# Altium PCB CONTROLLER_BASE.PcbDoc (part 5 of 7)
Units mm, origin at the board's own origin, x right, y up, seen from the top; angles counter-clockwise.
Board outline 258 x 160 mm, 4 copper layers (Top Layer, Internal Plane 1, Internal Plane 2, Bottom Layer); 818 components, 410 nets, 2314 pads, 511 vias.
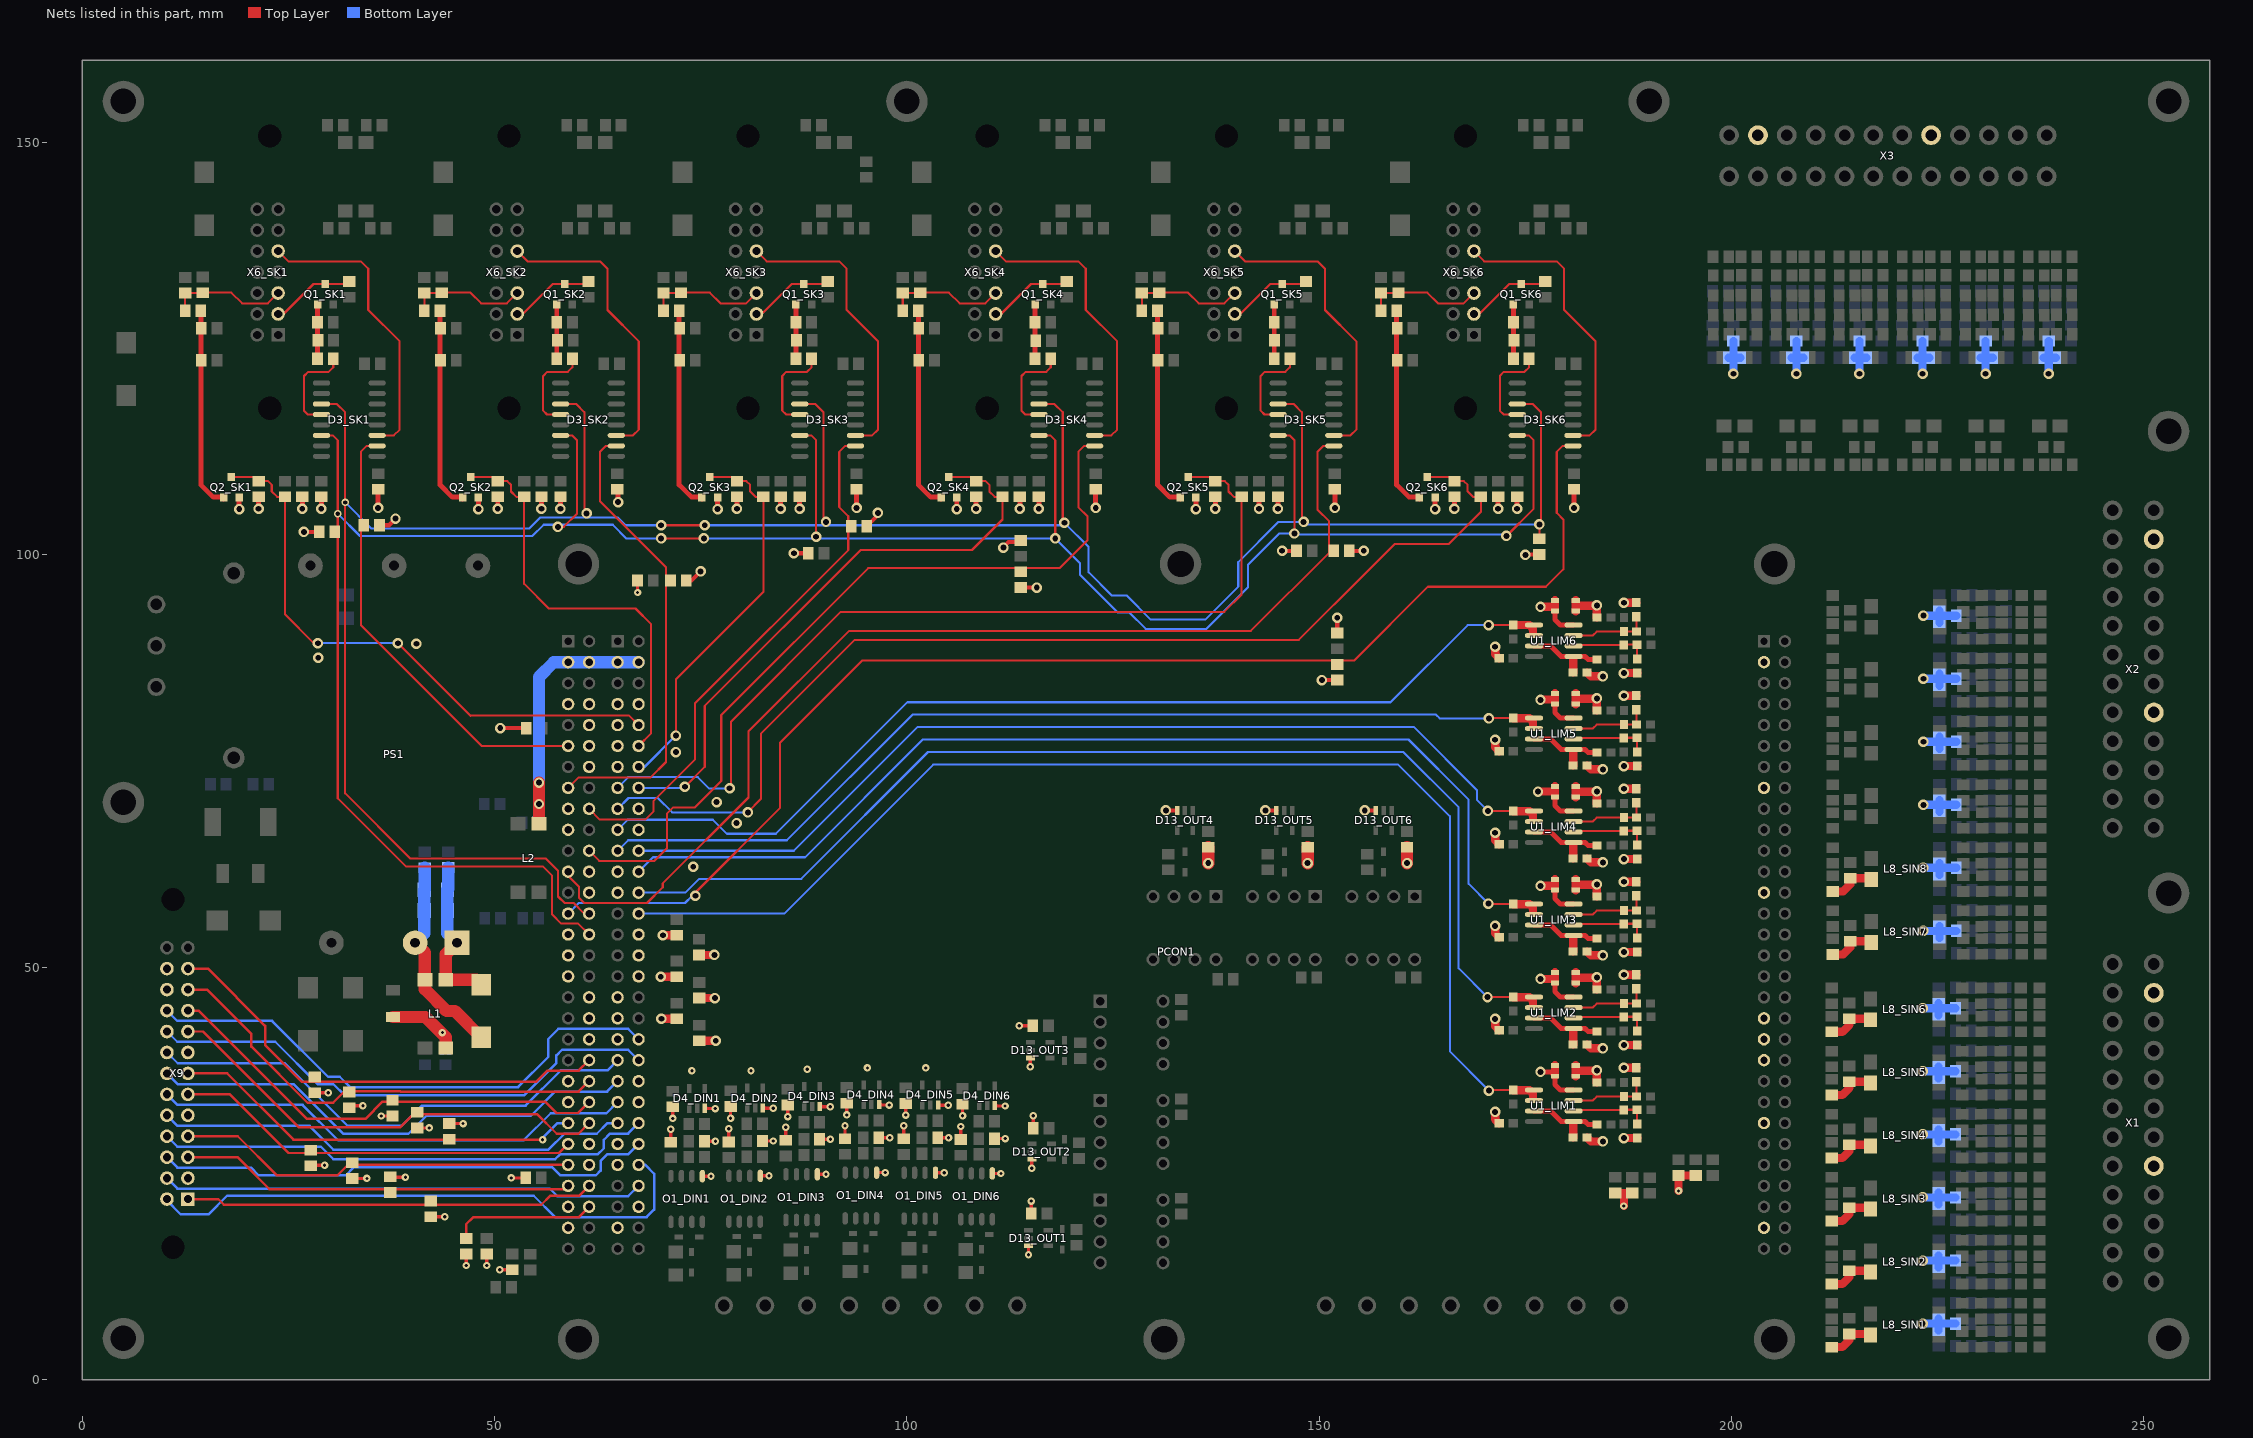
[diagram p7: the nets of this part, all layers, seen from the top]

## Via types
v1: diameter 1.27, hole 0.711, Top Layer to Bottom Layer, tented both sides, 414 vias
v2: diameter 0.9, hole 0.4, Top Layer to Bottom Layer, tented both sides, 95 vias
v3: diameter 0.9, hole 0.5, Top Layer to Bottom Layer, tented both sides, 2 vias

## Nets (pads, with @x,y where several pads share a name; then routed paths per layer and width w, separated by ;. In a path a pad name is that pad's centre, name@x,y a point inside that pad or via, vN(x,y) a via of type N, cw(c..) or ccw(c..) an arc to the next point about the centre after c; other vN are vias at no path point) (continued)
AGNDIN_SIN1: C32_SIN1.1 C32_SIN2.1 C32_SIN3.1 C32_SIN4.1 C32_SIN5.1 C32_SIN6.1 C32_SIN7.1 C32_SIN8.1 C32_SIN9.1 C32_SIN10.1 C32_SIN11.1 C32_SIN12.1 C32_SIN13.1 C32_SIN14.1 C32_SIN15.1 C32_SIN16.1 C32_SIN17.1 C32_SIN18.1 C34_SIN1.2 C34_SIN2.2 C34_SIN3.2 C34_SIN4.2 C34_SIN5.2 C34_SIN6.2 C34_SIN7.2 C34_SIN8.2 C34_SIN9.2 C34_SIN10.2 C34_SIN11.2 C34_SIN12.2 C34_SIN13.2 C34_SIN14.2 C34_SIN15.2 C34_SIN16.2 C34_SIN17.2 C34_SIN18.2 C41_LIM1.2 C41_LIM2.2 C41_LIM3.2 C41_LIM4.2 C41_LIM5.2 C41_LIM6.2 C43_LIM1.2 C43_LIM2.2 C43_LIM3.2 C43_LIM4.2 C43_LIM5.2 C43_LIM6.2 C44_LIM1.2 C44_LIM2.2 C44_LIM3.2 C44_LIM4.2 C44_LIM5.2 C44_LIM6.2 C50.2 C51.2 L5_SIN1.2 L5_SIN2.2 L5_SIN3.2 L5_SIN4.2 L5_SIN5.2 L5_SIN6.2 L5_SIN7.2 L5_SIN8.2 L5_SIN9.2 L5_SIN10.2 L5_SIN11.2 L5_SIN12.2 L5_SIN13.2 L5_SIN14.2 L5_SIN15.2 L5_SIN16.2 L5_SIN17.2 L5_SIN18.2 PCON1.P3_3 PCON1.P3_15 PCON1.P3_25 PCON1.P3_37 PCON1.P3_39 PCON1.P3_41 PCON1.P3_47 PCON1.P3_57 R55_LIM1.2 R55_LIM2.2 R55_LIM3.2 R55_LIM4.2 R55_LIM5.2 R55_LIM6.2 R63.2 R64.2 VD1_LIM1.1 VD1_LIM2.1 VD1_LIM3.1 VD1_LIM4.1 VD1_LIM5.1 VD1_LIM6.1 VD2_LIM1.2 VD2_LIM2.2 VD2_LIM3.2 VD2_LIM4.2 VD2_LIM5.2 VD2_LIM6.2 X1.10 X1.22 X2.10 X2.22 X3.10 X3.22 | length 171.7
  Top Layer w1: VD2_LIM1.2@181.094,36.793 181.094,37.453 ; VD1_LIM1.1@181.094,38.114 181.094,37.453 ; VD2_LIM2.2@181.094,48.07 181.094,48.731 ; VD1_LIM2.1@181.094,49.391 181.094,48.731 ; VD2_LIM3.2@181.094,59.348 181.094,60.008 ; VD1_LIM3.1@181.094,60.669 181.094,60.008 ; VD2_LIM4.2@181.094,70.626 181.094,71.286 ; VD1_LIM4.1@181.094,71.946 181.094,71.286 ; VD2_LIM5.2@181.094,81.903 181.094,82.564 ; VD1_LIM5.1@181.094,83.224 181.094,82.564 ; VD2_LIM6.2@181.094,93.181 181.094,93.841 ; VD1_LIM6.1@181.094,94.502 181.094,93.841 ; C41_LIM1.2@182.497,29.351 182.954,28.893 v1(184.39,28.893) ; C41_LIM2.2@182.497,40.628 182.954,40.171 v1(184.39,40.171) ; C41_LIM3.2@182.497,51.906 182.954,51.449 v1(184.39,51.449) ; C41_LIM4.2@182.497,63.183 182.954,62.726 v1(184.39,62.726) ; C41_LIM5.2@182.497,74.461 182.954,74.004 v1(184.39,74.004) ; C41_LIM6.2@182.497,85.739 182.954,85.281 v1(184.39,85.281) ; v1@183.63,37.453 181.094,37.453 ; v1@183.63,48.731 181.094,48.731 ; v1@183.63,60.008 181.094,60.008 ; v1@183.63,71.286 181.094,71.286 ; v1@183.63,82.564 181.094,82.564 ; v1@183.63,93.841 181.094,93.841 ; R55_LIM1.2@183.667,36.031 v1(183.667,37.49) ; R55_LIM2.2@183.667,47.308 v1(183.667,48.768) ; R55_LIM3.2@183.667,58.586 v1(183.667,60.046) ; R55_LIM4.2@183.667,69.864 v1(183.667,71.323) ; R55_LIM5.2@183.667,81.141 v1(183.667,82.601) ; R55_LIM6.2@183.667,92.419 v1(183.667,93.878) ; R63.2@185.928,22.621 186.944,22.621 ; v2(186.944,21.057) 186.944,22.621 ; v1(186.944,29.288) C43_LIM1.2@188.556,29.288 ; v1(186.944,37.821) C44_LIM1.2@188.454,37.821 ; v1(186.944,40.566) C43_LIM2.2@188.556,40.566 ; v1(186.944,49.098) C44_LIM2.2@188.454,49.098 ; v1(186.944,51.843) C43_LIM3.2@188.556,51.843 ; v1(186.944,60.376) C44_LIM3.2@188.454,60.376 ; v1(186.944,63.121) C43_LIM4.2@188.556,63.121 ; v1(186.944,71.653) C44_LIM4.2@188.454,71.653 ; v1(186.944,74.398) C43_LIM5.2@188.556,74.398 ; v1(186.944,82.931) C44_LIM5.2@188.454,82.931 ; v1(186.944,85.676) C43_LIM6.2@188.556,85.676 ; v1(186.944,94.209) C44_LIM6.2@188.454,94.209 ; C50.2@187.96,22.621 186.944,22.621 ; v2(193.573,22.885) R64.2@193.573,24.755 195.676,24.755 C51.2@195.677,24.756 ; v1@200.196,121.949 v1(200.221,121.975) ; v1@207.841,121.949 v1(207.867,121.975) ; v1@215.487,121.949 v1(215.512,121.975) ; v1@223.132,121.949 v1(223.158,121.975) ; v1@223.148,6.827 v1(223.174,6.802) ; v1@223.148,14.472 v1(223.174,14.447) ; v1@223.148,22.118 v1(223.174,22.092) ; v1@223.148,29.763 v1(223.174,29.738) ; v1@223.148,37.409 v1(223.174,37.383) ; v1@223.148,45.054 v1(223.174,45.029) ; v1@223.247,54.436 v1(223.272,54.411) ; v1@223.247,62.082 v1(223.272,62.056) ; v1@223.247,69.727 v1(223.272,69.702) ; v1@223.247,77.372 v1(223.272,77.347) ; v1@223.247,85.018 v1(223.272,84.992) ; v1@223.247,92.663 v1(223.272,92.638) ; v1@230.778,121.949 v1(230.803,121.975) ; v1@238.423,121.949 v1(238.448,121.975)
  Bottom Layer w1: C34_SIN18.2@199.622,123.905 C34_SIN18.2@200.221,123.905 ; v1(200.221,121.975) C34_SIN18.2@200.221,123.905 ; L5_SIN18.2@200.221,125.952 C34_SIN18.2@200.221,124.007 ; C32_SIN18.1@201.075,123.905 200.323,123.905 ; C34_SIN17.2@207.267,123.905 C34_SIN17.2@207.867,123.905 ; v1(207.867,121.975) C34_SIN17.2@207.867,123.905 ; L5_SIN17.2@207.867,125.952 C34_SIN17.2@207.867,124.007 ; C32_SIN17.1@208.72,123.905 207.968,123.905 ; C34_SIN16.2@214.913,123.905 C34_SIN16.2@215.512,123.905 ; v1(215.512,121.975) C34_SIN16.2@215.512,123.905 ; L5_SIN16.2@215.512,125.952 C34_SIN16.2@215.512,124.007 ; C32_SIN16.1@216.366,123.905 215.614,123.905 ; C34_SIN15.2@222.558,123.905 C34_SIN15.2@223.158,123.905 ; v1(223.158,121.975) C34_SIN15.2@223.158,123.905 ; L5_SIN15.2@223.158,125.952 C34_SIN15.2@223.158,124.007 ; v1(223.174,6.802) C34_SIN1.2@225.104,6.802 ; v1(223.174,14.447) C34_SIN2.2@225.104,14.447 ; v1(223.174,22.092) C34_SIN3.2@225.104,22.092 ; v1(223.174,29.738) C34_SIN4.2@225.104,29.738 ; v1(223.174,37.383) C34_SIN5.2@225.104,37.383 ; v1(223.174,45.029) C34_SIN6.2@225.104,45.029 ; v1(223.272,54.411) C34_SIN7.2@225.203,54.411 ; v1(223.272,62.056) C34_SIN8.2@225.203,62.056 ; v1(223.272,69.702) C34_SIN9.2@225.203,69.702 ; v1(223.272,77.347) C34_SIN10.2@225.203,77.347 ; v1(223.272,84.992) C34_SIN11.2@225.203,84.992 ; v1(223.272,92.638) C34_SIN12.2@225.203,92.638 ; C32_SIN15.1@224.011,123.905 223.259,123.905 ; C32_SIN1.1@225.104,5.948 225.104,6.7 ; C34_SIN1.2@225.104,7.401 C34_SIN1.2@225.104,6.802 ; C32_SIN2.1@225.104,13.594 225.104,14.345 ; C34_SIN2.2@225.104,15.046 C34_SIN2.2@225.104,14.447 ; C32_SIN3.1@225.104,21.239 225.104,21.991 ; C34_SIN3.2@225.104,22.692 C34_SIN3.2@225.104,22.092 ; C32_SIN4.1@225.104,28.884 225.104,29.636 ; C34_SIN4.2@225.104,30.337 C34_SIN4.2@225.104,29.738 ; C32_SIN5.1@225.104,36.53 225.104,37.282 ; C34_SIN5.2@225.104,37.983 C34_SIN5.2@225.104,37.383 ; C32_SIN6.1@225.104,44.175 225.104,44.927 ; C34_SIN6.2@225.104,45.628 C34_SIN6.2@225.104,45.029 ; C32_SIN7.1@225.203,53.557 225.203,54.309 ; C34_SIN7.2@225.203,55.01 C34_SIN7.2@225.203,54.411 ; C32_SIN8.1@225.203,61.203 225.203,61.955 ; C34_SIN8.2@225.203,62.656 C34_SIN8.2@225.203,62.056 ; C32_SIN9.1@225.203,68.848 225.203,69.6 ; C34_SIN9.2@225.203,70.301 C34_SIN9.2@225.203,69.702 ; C32_SIN10.1@225.203,76.494 225.203,77.245 ; C34_SIN10.2@225.203,77.946 C34_SIN10.2@225.203,77.347 ; C32_SIN11.1@225.203,84.139 225.203,84.891 ; C34_SIN11.2@225.203,85.592 C34_SIN11.2@225.203,84.992 ; C32_SIN12.1@225.203,91.784 225.203,92.536 ; C34_SIN12.2@225.203,93.237 C34_SIN12.2@225.203,92.638 ; L5_SIN1.2@227.151,6.802 C34_SIN1.2@225.206,6.802 ; L5_SIN2.2@227.151,14.447 C34_SIN2.2@225.206,14.447 ; L5_SIN3.2@227.151,22.092 C34_SIN3.2@225.206,22.092 ; L5_SIN4.2@227.151,29.738 C34_SIN4.2@225.206,29.738 ; L5_SIN5.2@227.151,37.383 C34_SIN5.2@225.206,37.383 ; L5_SIN6.2@227.151,45.029 C34_SIN6.2@225.206,45.029 ; L5_SIN7.2@227.25,54.411 C34_SIN7.2@225.304,54.411 ; L5_SIN8.2@227.25,62.056 C34_SIN8.2@225.304,62.056 ; L5_SIN9.2@227.25,69.702 C34_SIN9.2@225.304,69.702 ; L5_SIN10.2@227.25,77.347 C34_SIN10.2@225.304,77.347 ; L5_SIN11.2@227.25,84.992 C34_SIN11.2@225.304,84.992 ; L5_SIN12.2@227.25,92.638 C34_SIN12.2@225.304,92.638 ; C34_SIN14.2@230.204,123.905 C34_SIN14.2@230.803,123.905 ; v1(230.803,121.975) C34_SIN14.2@230.803,123.905 ; L5_SIN14.2@230.803,125.952 C34_SIN14.2@230.803,124.007 ; C32_SIN14.1@231.656,123.905 230.905,123.905 ; C34_SIN13.2@237.849,123.905 C34_SIN13.2@238.448,123.905 ; v1(238.448,121.975) C34_SIN13.2@238.448,123.905 ; L5_SIN13.2@238.448,125.952 C34_SIN13.2@238.448,124.007 ; C32_SIN13.1@239.302,123.905 238.55,123.905 ; C34_SIN18.2@200.221,123.905 C34_SIN18.2@200.221,124.007 ; C34_SIN18.2@200.221,123.905 200.323,123.905 ; C34_SIN18.2@200.221,124.007 200.323,123.905 ; C34_SIN17.2@207.867,123.905 C34_SIN17.2@207.867,124.007 ; C34_SIN17.2@207.867,123.905 207.968,123.905 ; C34_SIN17.2@207.867,124.007 207.968,123.905 ; C34_SIN16.2@215.512,123.905 C34_SIN16.2@215.512,124.007 ; C34_SIN16.2@215.512,123.905 215.614,123.905 ; C34_SIN16.2@215.512,124.007 215.614,123.905 ; C34_SIN15.2@223.158,123.905 C34_SIN15.2@223.158,124.007 ; C34_SIN15.2@223.158,123.905 223.259,123.905 ; C34_SIN15.2@223.158,124.007 223.259,123.905 ; 225.104,6.7 C34_SIN1.2@225.206,6.802 ; 225.104,6.7 C34_SIN1.2@225.104,6.802 ; C34_SIN1.2@225.104,6.802 C34_SIN1.2@225.206,6.802 ; 225.104,14.345 C34_SIN2.2@225.206,14.447 ; 225.104,14.345 C34_SIN2.2@225.104,14.447 ; C34_SIN2.2@225.104,14.447 C34_SIN2.2@225.206,14.447 ; 225.104,21.991 C34_SIN3.2@225.206,22.092 ; 225.104,21.991 C34_SIN3.2@225.104,22.092 ; C34_SIN3.2@225.104,22.092 C34_SIN3.2@225.206,22.092 ; 225.104,29.636 C34_SIN4.2@225.206,29.738 ; 225.104,29.636 C34_SIN4.2@225.104,29.738 ; C34_SIN4.2@225.104,29.738 C34_SIN4.2@225.206,29.738 ; 225.104,37.282 C34_SIN5.2@225.206,37.383 ; 225.104,37.282 C34_SIN5.2@225.104,37.383 ; C34_SIN5.2@225.104,37.383 C34_SIN5.2@225.206,37.383 ; 225.104,44.927 C34_SIN6.2@225.206,45.029 ; 225.104,44.927 C34_SIN6.2@225.104,45.029 ; C34_SIN6.2@225.104,45.029 C34_SIN6.2@225.206,45.029 ; 225.203,54.309 C34_SIN7.2@225.304,54.411 ; 225.203,54.309 C34_SIN7.2@225.203,54.411 ; C34_SIN7.2@225.203,54.411 C34_SIN7.2@225.304,54.411 ; 225.203,61.955 C34_SIN8.2@225.304,62.056 ; 225.203,61.955 C34_SIN8.2@225.203,62.056 ; C34_SIN8.2@225.203,62.056 C34_SIN8.2@225.304,62.056 ; 225.203,69.6 C34_SIN9.2@225.304,69.702 ; 225.203,69.6 C34_SIN9.2@225.203,69.702 ; C34_SIN9.2@225.203,69.702 C34_SIN9.2@225.304,69.702 ; 225.203,77.245 C34_SIN10.2@225.304,77.347 ; 225.203,77.245 C34_SIN10.2@225.203,77.347 ; C34_SIN10.2@225.203,77.347 C34_SIN10.2@225.304,77.347 ; 225.203,84.891 C34_SIN11.2@225.304,84.992 ; 225.203,84.891 C34_SIN11.2@225.203,84.992 ; C34_SIN11.2@225.203,84.992 C34_SIN11.2@225.304,84.992 ; 225.203,92.536 C34_SIN12.2@225.304,92.638 ; 225.203,92.536 C34_SIN12.2@225.203,92.638 ; C34_SIN12.2@225.203,92.638 C34_SIN12.2@225.304,92.638 ; C34_SIN14.2@230.803,123.905 C34_SIN14.2@230.803,124.007 ; C34_SIN14.2@230.803,123.905 230.905,123.905 ; C34_SIN14.2@230.803,124.007 230.905,123.905 ; C34_SIN13.2@238.448,123.905 C34_SIN13.2@238.448,124.007 ; C34_SIN13.2@238.448,123.905 238.55,123.905 ; C34_SIN13.2@238.448,124.007 238.55,123.905
BOT_CTRL1: D3_SK1.10 PCON1.P1_11 R2.1 | length 54.5
  Top Layer w0.254: D3_SK1.10@35.775,113.225 34.525,113.225 33.8,112.5 33.8,91.5 48.466,76.834 PCON1.P1_11@58.93,76.834
BOT_CTRL2: D3_SK2.10 PCON1.P1_15 R4.1 | length 56.4
  Top Layer w0.254: PCON1.P1_15@58.93,71.754 60.176,73 68.9,73 70.8,74.9 70.8,98.5 62.8,106.5 62.8,112.5 63.525,113.225 D3_SK2.10@64.775,113.225
BOT_CTRL3: D3_SK3.10 PCON1.P1_18 R6.1 | length 64.9
  Top Layer w0.254: PCON1.P1_18@61.47,69.214 62.784,67.9 68.3,67.9 69.3,68.9 69.3,70.186 74.3,75.186 74.3,81.986 92.9,100.586 92.9,104.7 91.8,105.8 91.8,112.5 92.525,113.225 D3_SK3.10@93.775,113.225
BOT_CTRL4: D3_SK4.10 PCON1.P1_22 R8.1 | length 97.6
  Top Layer w0.254: PCON1.P1_22@61.47,64.134 62.704,62.9 69.4,62.9 70.9,64.4 70.9,68.6 71.7,69.4 74.314,69.4 77.5,72.586 77.5,80.6 95.3,98.4 118.514,98.4 121.9,101.786 121.9,104.7 120.8,105.8 120.8,112.5 121.525,113.225 D3_SK4.10@122.775,113.225
BOT_CTRL5: D3_SK5.10 PCON1.P1_23 R10.1 | length 132
  Top Layer w0.254: PCON1.P1_23@58.93,61.07 60.249,59.751 60.249,58.454 60.903,57.8 68.5,57.8 70.4,59.7 70.4,60.186 80.8,70.586 80.8,78.6 93,90.8 141.714,90.8 151.2,100.286 151.2,104.1 149.8,105.5 149.8,112.5 150.525,113.225 D3_SK5.10@151.775,113.225
BOT_CTRL6: D3_SK6.10 PCON1.P1_27 R12.1 | length 159.7
  Top Layer w0.254: v1(74.371,58.674) 74.371,59.071 84.6,69.3 84.6,77.2 94.6,87.2 154.231,87.2 163.17,96.139 177.47,96.139 179.6,98.269 179.6,104.3 178.8,105.1 178.8,112.5 179.525,113.225 D3_SK6.10@180.775,113.225
  Bottom Layer w0.254: PCON1.P1_27@58.93,56.514 60.216,57.8 73.1,57.8 73.974,58.674 v1(74.371,58.674)
BOT_IN_SK1: D3_SK1.11 X6_SK1.9 | length 35.9
  Top Layer w0.254: X6_SK1.9@23.77,136.84 25.01,135.6 33.8,135.6 34.7,134.7 34.7,129.7 38.5,125.9 38.5,115.2 37.795,114.495 D3_SK1.11@35.775,114.495
BOT_IN_SK2: D3_SK2.11 X6_SK2.9 | length 35.9
  Top Layer w0.254: X6_SK2.9@52.77,136.84 54.01,135.6 62.8,135.6 63.7,134.7 63.7,129.7 67.5,125.9 67.5,115.2 66.795,114.495 D3_SK2.11@64.775,114.495
BOT_IN_SK3: D3_SK3.11 X6_SK3.9 | length 35.9
  Top Layer w0.254: X6_SK3.9@81.77,136.84 83.01,135.6 91.8,135.6 92.7,134.7 92.7,129.7 96.5,125.9 96.5,115.2 95.795,114.495 D3_SK3.11@93.775,114.495
BOT_IN_SK4: D3_SK4.11 X6_SK4.9 | length 35.9
  Top Layer w0.254: X6_SK4.9@110.77,136.84 112.01,135.6 120.8,135.6 121.7,134.7 121.7,129.7 125.5,125.9 125.5,115.2 124.795,114.495 D3_SK4.11@122.775,114.495
BOT_IN_SK5: D3_SK5.11 X6_SK5.9 | length 35.9
  Top Layer w0.254: X6_SK5.9@139.77,136.84 141.01,135.6 149.8,135.6 150.7,134.7 150.7,129.7 154.5,125.9 154.5,115.2 153.795,114.495 D3_SK5.11@151.775,114.495
BOT_IN_SK6: D3_SK6.11 X6_SK6.9 | length 35.9
  Top Layer w0.254: X6_SK6.9@168.77,136.84 170.01,135.6 178.8,135.6 179.7,134.7 179.7,129.7 183.5,125.9 183.5,115.2 182.795,114.495 D3_SK6.11@180.775,114.495
DGND_CPU: C16.2 L2.4 PCON1.P1_3 PCON1.P1_4 PCON1.P2_3 PCON1.P2_4 | length 35.3
  Top Layer w1.5: L2.4@55.4,67.4 v1(55.4,69.8) v1(55.4,72.4)
  Bottom Layer w1.5: C16.2@55.4,67.683 v1(55.4,69.8) v1(55.4,72.4) 55.4,85.2 57.194,86.994 PCON1.P1_3@58.93,86.994 PCON1.P1_4@61.47,86.994 PCON1.P2_3@64.93,86.994 PCON1.P2_4@67.47,86.994
DGND_DIN1: C24_SK1.1 C24_SK2.1 C24_SK3.1 C24_SK4.1 C24_SK5.1 C24_SK6.1 C28_SK1.1 C28_SK2.1 C28_SK3.1 C28_SK4.1 C28_SK5.1 C28_SK6.1 C29_SK1.1 C29_SK2.1 C29_SK3.1 C29_SK4.1 C29_SK5.1 C29_SK6.1 C40_OUT1.2 C40_OUT2.2 C40_OUT3.2 C40_OUT4.2 C40_OUT5.2 C40_OUT6.2 C42_LIM1.2 C42_LIM2.2 C42_LIM3.2 C42_LIM4.2 C42_LIM5.2 C42_LIM6.2 C47_DIN1.1 C47_DIN2.1 C47_DIN3.1 C47_DIN4.1 C47_DIN5.1 C47_DIN6.1 C48_DIN1.2 C48_DIN2.2 C48_DIN3.2 C48_DIN4.2 C48_DIN5.2 C48_DIN6.2 C49_DIN1.2 C49_DIN2.2 C49_DIN3.2 C49_DIN4.2 C49_DIN5.2 C49_DIN6.2 D4_DIN1.3 D4_DIN2.3 D4_DIN3.3 D4_DIN4.3 D4_DIN5.3 D4_DIN6.3 D13_OUT1.3 D13_OUT2.3 D13_OUT3.3 D13_OUT4.3 D13_OUT5.3 D13_OUT6.3 O1_DIN1.5 O1_DIN2.5 O1_DIN3.5 O1_DIN4.5 O1_DIN5.5 O1_DIN6.5 PCON1.P1_7 PCON1.P1_8 PCON1.P1_10 PCON1.P1_12 PCON1.P1_14 PCON1.P1_17 PCON1.P1_19 PCON1.P1_24 PCON1.P1_26 PCON1.P1_29 PCON1.P1_31 PCON1.P1_33 PCON1.P1_36 PCON1.P1_38 PCON1.P1_40 PCON1.P1_43 PCON1.P1_45 PCON1.P1_50 PCON1.P1_52 PCON1.P1_55 PCON1.P1_57 PCON1.P2_7 PCON1.P2_8 PCON1.P2_9 PCON1.P2_11 PCON1.P2_13 PCON1.P2_18 PCON1.P2_20 PCON1.P2_23 PCON1.P2_25 PCON1.P2_30 PCON1.P2_32 PCON1.P2_34 PCON1.P2_35 PCON1.P2_37 PCON1.P2_39 PCON1.P2_44 PCON1.P2_46 PCON1.P2_49 PCON1.P2_51 PCON1.P2_56 PCON1.P2_57 Q2_SK1.2 Q2_SK2.2 Q2_SK3.2 Q2_SK4.2 Q2_SK5.2 Q2_SK6.2 R1.2 R2.2 R3.2 R4.2 R5.2 R6.2 R7.2 R8.2 R9.2 R10.2 R11.2 R12.2 R13.2 R14.2 R15.2 R16.2 R17.2 R18.2 R19.2 R20.2 R21.2 R22.2 R23.2 R24.2 R25.2 R26.2 R27.2 R28.2 R29.2 R30.2 R31.2 R36_SK1.2 R36_SK2.2 R36_SK3.2 R36_SK4.2 R36_SK5.2 R36_SK6.2 R60.1 R65.2 U1_LIM1.4 U1_LIM2.4 U1_LIM3.4 U1_LIM4.4 U1_LIM5.4 U1_LIM6.4 VD1_LIM1.2 VD1_LIM2.2 VD1_LIM3.2 VD1_LIM4.2 VD1_LIM5.2 VD1_LIM6.2 VD2_LIM1.1 VD2_LIM2.1 VD2_LIM3.1 VD2_LIM4.1 VD2_LIM5.1 VD2_LIM6.1 X9.3 X9.9 X9.15 X9.22 X9.24 | length 217.5
  Top Layer w0.4: R26.2@27.711,25.999 v2(29.403,25.999) ; R21.2@28.219,34.788 v2(29.835,34.788) ; R22.2@32.334,33.213 v2(34.051,33.213) ; R27.2@32.766,24.399 v2(34.534,24.399) ; v2(36.286,31.968) R23.2@37.643,31.968 ; R28.2@37.49,24.547 v2(39.202,24.547) ; R24.2@40.386,30.521 v2(42.103,30.521) ; R29.2@42.266,19.751 v2(43.983,19.751) ; R25.2@44.526,31.049 v2(46.192,31.049) ; v2(46.584,13.843) R30.2@46.584,15.23 ; v2(49.047,13.843) R31.2@49.047,15.23 ; v2(50.632,13.325) R60.1@52.146,13.325 ; v2(52.045,24.46) R65.2@53.787,24.46 ; v2(67.35,95.442) R3.2@67.35,96.9 ; C49_DIN1.2@71.374,28.794 v2(71.374,30.378) ; v2(71.603,31.674) C47_DIN1.1@71.603,33.086 ; O1_DIN1.5@75.209,24.682 v2(76.258,24.682) ; C48_DIN1.2@75.474,28.911 v2(76.79,28.911) ; D4_DIN1.3@75.696,32.995 D4_DIN1.3@75.614,32.912 ; v2(76.759,32.868) 75.658,32.868 D4_DIN1.3@75.614,32.912 ; C49_DIN2.2@78.403,28.826 v2(78.403,30.411) ; v2(78.631,31.706) C47_DIN2.1@78.631,33.119 ; O1_DIN2.5@82.238,24.714 v2(83.287,24.714) ; C48_DIN2.2@82.502,28.943 v2(83.818,28.943) ; D4_DIN2.3@82.725,33.027 D4_DIN2.3@82.642,32.945 ; v2(83.787,32.9) 82.687,32.9 D4_DIN2.3@82.642,32.945 ; C49_DIN3.2@85.319,29.022 v2(85.319,30.607) ; v2(85.547,31.902) C47_DIN3.1@85.547,33.315 ; O1_DIN3.5@89.154,24.91 v2(90.203,24.91) ; C48_DIN3.2@89.418,29.139 v2(90.734,29.139) ; D4_DIN3.3@89.641,33.223 D4_DIN3.3@89.558,33.141 ; v2(90.703,33.096) 89.603,33.096 D4_DIN3.3@89.558,33.141 ; C49_DIN4.2@92.501,29.22 v2(92.501,30.805) ; v2(92.73,32.1) C47_DIN4.1@92.73,33.512 ; O1_DIN4.5@96.337,25.108 v2(97.385,25.108) ; C48_DIN4.2@96.601,29.337 v2(97.917,29.337) ; D4_DIN4.3@96.823,33.421 D4_DIN4.3@96.741,33.339 ; v2(97.886,33.294) 96.786,33.294 D4_DIN4.3@96.741,33.339 ; C49_DIN5.2@99.644,29.2 v2(99.644,30.785) ; v2(99.873,32.08) C47_DIN5.1@99.873,33.492 ; O1_DIN5.5@103.48,25.088 v2(104.528,25.088) ; C48_DIN5.2@103.744,29.317 v2(105.06,29.317) ; D4_DIN5.3@103.966,33.401 D4_DIN5.3@103.884,33.319 ; v2(105.029,33.274) 103.928,33.274 D4_DIN5.3@103.884,33.319 ; C49_DIN6.2@106.528,29.113 v2(106.528,30.698) ; v2(106.756,31.993) C47_DIN6.1@106.756,33.405 ; O1_DIN6.5@110.363,25.001 v2(111.412,25.001) ; C48_DIN6.2@110.627,29.23 v2(111.943,29.23) ; D4_DIN6.3@110.85,33.314 D4_DIN6.3@110.767,33.232 ; v2(111.912,33.187) 110.812,33.187 D4_DIN6.3@110.767,33.232 ; v2(113.614,42.926) C40_OUT3.2@115.28,42.926 ; v2(114.751,15.132) D13_OUT1.3@114.751,16.22 ; v2(114.98,37.928) D13_OUT3.3@114.98,39.004 ; C40_OUT1.2@115.103,20.142 v2(115.103,21.656) ; v2(115.157,25.648) D13_OUT2.3@115.157,26.711 ; C40_OUT2.2@115.331,30.48 v2(115.331,31.994) ; D4_DIN1.3@75.614,32.912 D4_DIN1.3@75.524,32.912 75.569,32.868 D4_DIN1.3@75.614,32.912 ; D4_DIN2.3@82.642,32.945 D4_DIN2.3@82.553,32.945 82.598,32.9 D4_DIN2.3@82.642,32.945 ; D4_DIN3.3@89.558,33.141 D4_DIN3.3@89.469,33.141 89.514,33.096 D4_DIN3.3@89.558,33.141 ; D4_DIN4.3@96.741,33.339 D4_DIN4.3@96.652,33.339 96.696,33.294 D4_DIN4.3@96.741,33.339 ; D4_DIN5.3@103.884,33.319 D4_DIN5.3@103.795,33.319 103.839,33.274 D4_DIN5.3@103.884,33.319 ; D4_DIN6.3@110.767,33.232 D4_DIN6.3@110.678,33.232 110.723,33.187 D4_DIN6.3@110.767,33.232
  Top Layer w0.5: v1(26.9,102.8) R14.2@28.75,102.8 ; R2.2@36.05,103.6 37.2,103.6 v1(38,104.4) ; v1(50.7,79) R1.2@53.85,79 ; R4.2@73.25,96.9 73.9,96.9 v1(75,98) ; v1(86.3,100.2) R5.2@88.05,100.2 ; R6.2@95.15,103.5 96.5,104.85 v1(96.5,105.1) ; v1(111.7,100.9) 112.35,101.55 R7.2@113.8,101.55 ; R8.2@113.8,96.05 v1(115.75,96.05) ; v1(131.42,69.028) 132.755,69.028 D13_OUT4.3@132.77,69.012 ; v1(143.47,69.028) 144.805,69.028 D13_OUT5.3@144.82,69.012 ; v1(145.5,100.5) R9.2@147.25,100.5 ; v1(150.336,84.826) R12.2@152.186,84.826 ; R11.2@152.186,90.526 v1(152.186,92.376) ; R10.2@153.65,100.5 v1(155.4,100.5) ; v1(155.52,69.028) 156.855,69.028 D13_OUT6.3@156.87,69.012 ; v1(175,100) 175.05,100.05 R13.2@176.7,100.05
  Top Layer w0.6: v1(19.05,105.55) Q2_SK1.2@19.05,106.95 ; v1(21.4,105.6) C29_SK1.1@21.4,107.05 ; v1(26.7,105.6) C24_SK1.1@26.7,107.05 C24_SK1.1@26.8,106.95 ; v1(29,105.6) R36_SK1.2@29,107.05 ; v1(35.9,105.7) C28_SK1.1@35.9,107.95 ; v1(48.05,105.55) Q2_SK2.2@48.05,106.95 ; v1(50.4,105.6) C29_SK2.1@50.4,107.05 ; v1(55.7,105.6) C24_SK2.1@55.7,107.05 C24_SK2.1@55.8,106.95 ; v1(58,105.6) R36_SK2.2@58,107.05 ; C28_SK2.1@64.9,107.95 65,107.85 v1(65,106.4) ; v1(77.05,105.55) Q2_SK3.2@77.05,106.95 ; v1(79.4,105.6) C29_SK3.1@79.4,107.05 ; v1(84.7,105.6) C24_SK3.1@84.7,107.05 C24_SK3.1@84.8,106.95 ; v1(87,105.6) R36_SK3.2@87,107.05 ; v1(93.9,105.7) C28_SK3.1@93.9,107.95 ; v1(106.05,105.55) Q2_SK4.2@106.05,106.95 ; v1(108.4,105.6) C29_SK4.1@108.4,107.05 ; v1(113.7,105.6) C24_SK4.1@113.7,107.05 C24_SK4.1@113.8,106.95 ; v1(116,105.6) R36_SK4.2@116,107.05 ; v1(122.9,105.7) C28_SK4.1@122.9,107.95 ; v1(135.05,105.55) Q2_SK5.2@135.05,106.95 ; v1(137.4,105.6) C29_SK5.1@137.4,107.05 ; v1(142.7,105.6) C24_SK5.1@142.7,107.05 C24_SK5.1@142.8,106.95 ; v1(145,105.6) R36_SK5.2@145,107.05 ; v1(151.9,105.7) C28_SK5.1@151.9,107.95 ; v1(164.05,105.55) Q2_SK6.2@164.05,106.95 ; v1(166.4,105.6) C29_SK6.1@166.4,107.05 ; v1(171.7,105.6) C24_SK6.1@171.7,107.05 C24_SK6.1@171.8,106.95 ; v1(174,105.6) R36_SK6.2@174,107.05 ; v1(176.835,37.313) 178.074,37.313 VD2_LIM1.1@178.594,36.793 178.594,35.757 179.234,35.116 U1_LIM1.4@180.847,35.116 ; VD2_LIM2.1@178.594,48.07 178.594,47.034 179.234,46.394 U1_LIM2.4@180.847,46.394 ; VD2_LIM3.1@178.594,59.348 178.594,58.312 179.234,57.672 U1_LIM3.4@180.847,57.672 ; VD2_LIM4.1@178.594,70.626 178.594,69.59 179.234,68.949 U1_LIM4.4@180.847,68.949 ; VD2_LIM5.1@178.594,81.903 178.594,80.867 179.234,80.227 U1_LIM5.4@180.847,80.227 ; VD2_LIM6.1@178.594,93.181 178.594,92.145 179.234,91.504 U1_LIM6.4@180.847,91.504 ; v1(180.9,105.7) C28_SK6.1@180.9,107.95